# Altium PCB WX0.000.863拼板.PcbDoc (part 8 of 15) (continued)
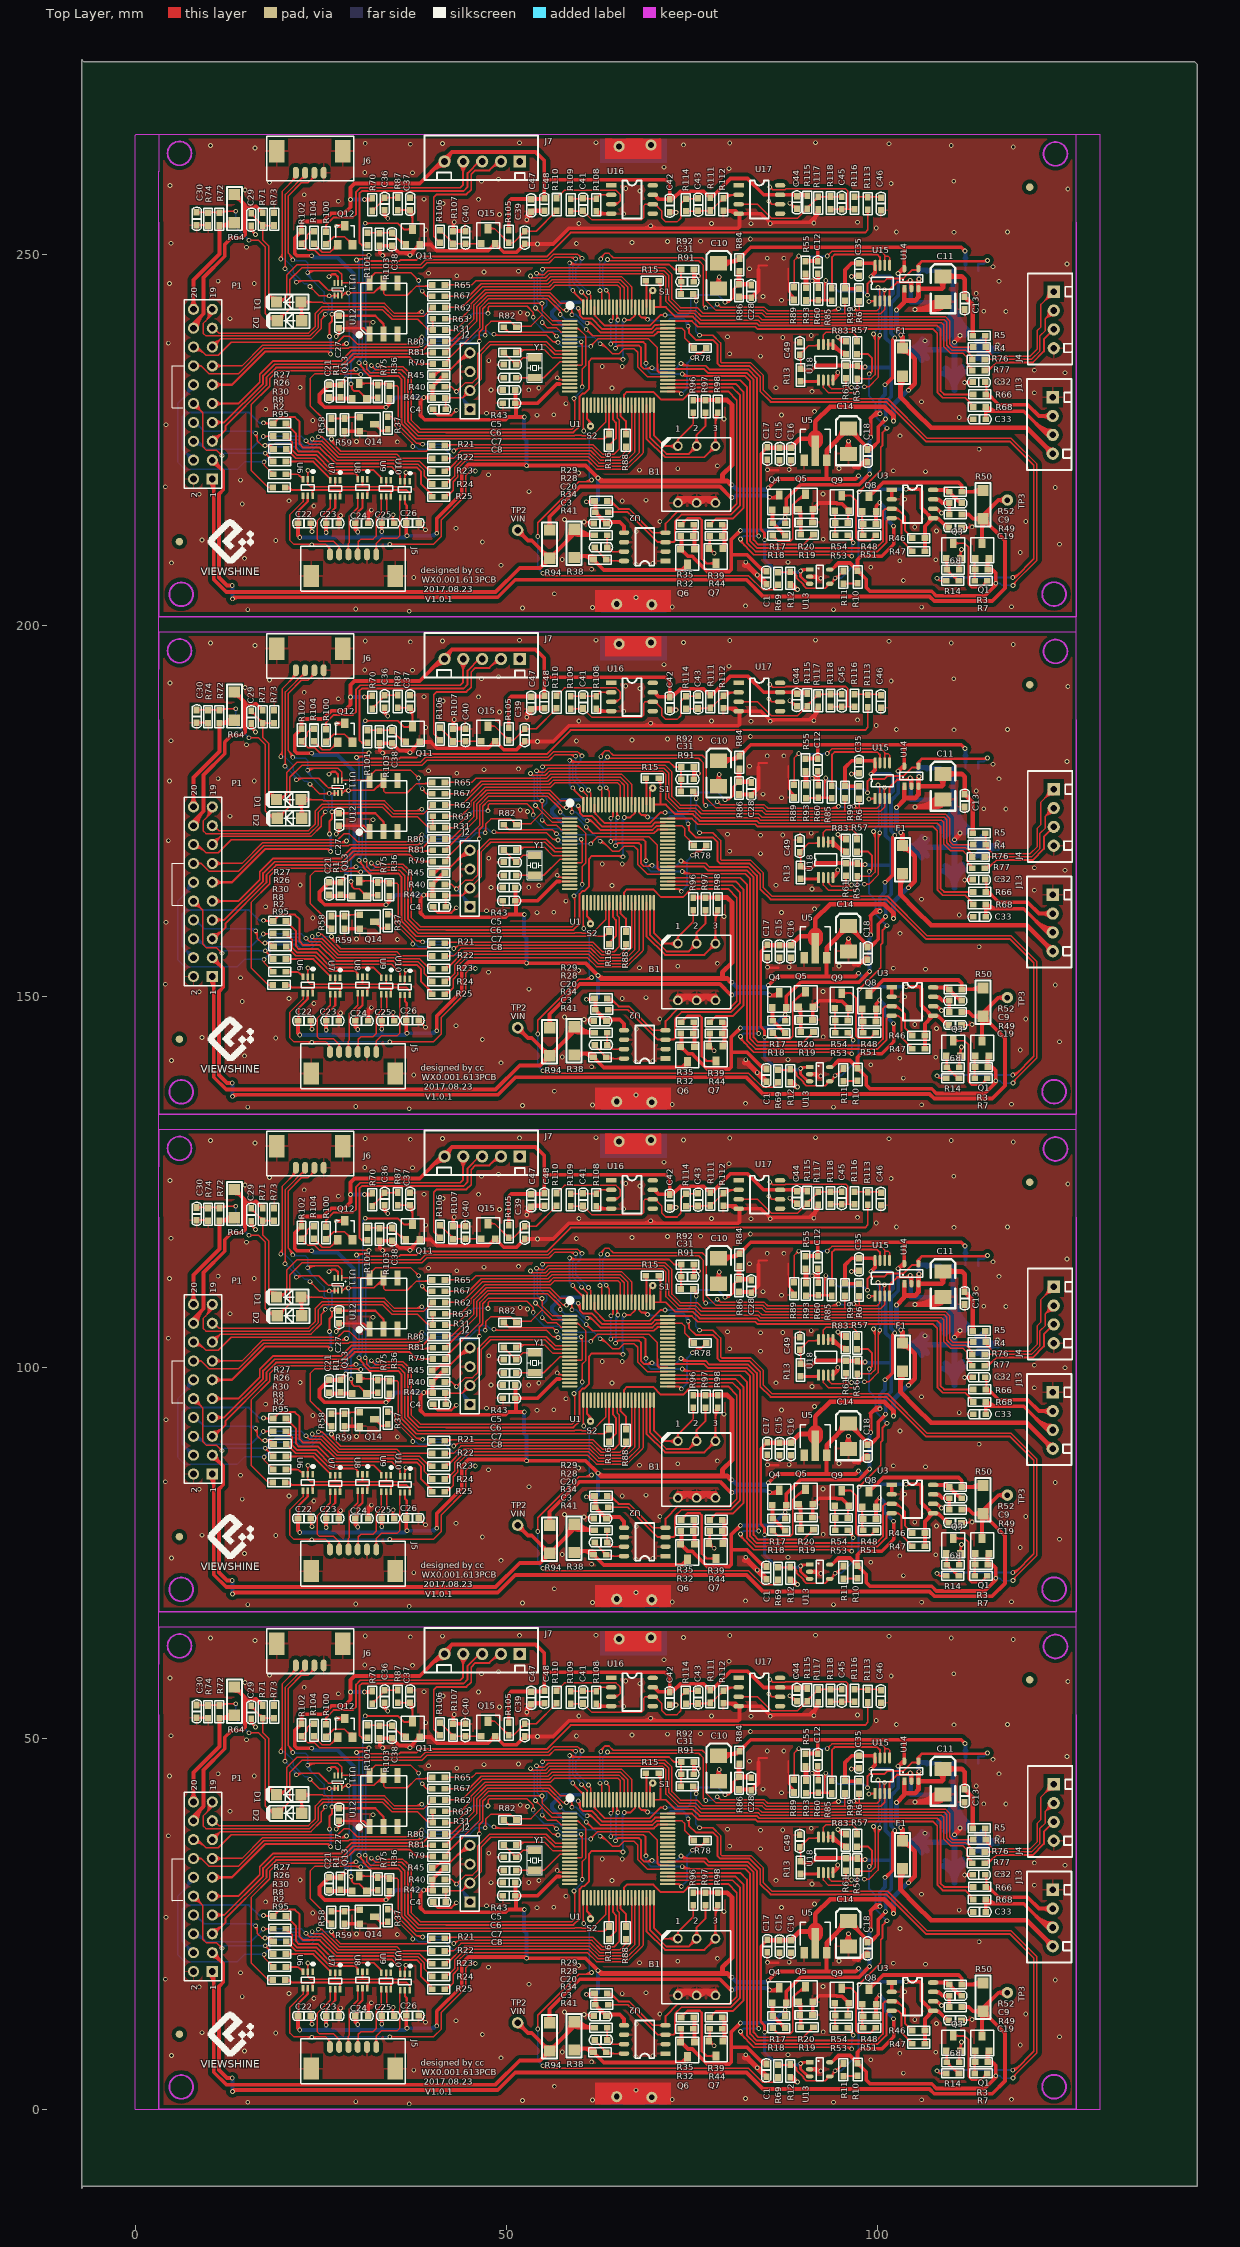
[diagram p0: Top Layer view]
## Nets (pads, with @x,y where several pads share a name; then routed paths per layer and width w, separated by ;. In a path a pad name is that pad's centre, name@x,y a point inside that pad or via, vN(x,y) a via of type N, cw(c..) or ccw(c..) an arc to the next point about the centre after c; other vN are vias at no path point) (continued)
 ccw(c32.02,95.927) 32.02,96.571 ccw(c32.02,97.215) 32.475,96.759 ; 32.475,163.438 ccw(c32.02,162.983) 32.02,163.627 ccw(c32.02,164.271) 32.475,163.815 ; 32.475,230.494 ccw(c32.02,230.039) 32.02,230.683 ccw(c32.02,231.327) 32.475,230.871 ; 32.512,25.932 ccw(c33.101,25.923) 32.684,25.507 ; 32.512,92.988 ccw(c33.101,92.979) 32.684,92.563 ; 32.512,160.044 ccw(c33.101,160.035) 32.684,159.619 ; 32.512,227.1 ccw(c33.101,227.091) 32.684,226.675 ; 32.766,25.928 ccw(c33.937,25.91) 33.109,25.082 ; 32.766,92.984 ccw(c33.937,92.966) 33.109,92.138 ; 32.766,160.04 ccw(c33.937,160.022) 33.109,159.194 ; 32.766,227.096 ccw(c33.937,227.078) 33.109,226.25 ; 32.97,18.897 cw(c32.696,18.622) 33.084,18.622 ; 32.97,85.953 cw(c32.696,85.678) 33.084,85.678 ; 32.97,153.009 cw(c32.696,152.734) 33.084,152.734 ; 32.97,220.065 cw(c32.696,219.79) 33.084,219.79 ; 33.637,24.993 ccw(c33.637,25.412) 34,25.203 ; 33.637,92.049 ccw(c33.637,92.468) 34,92.259 ; 33.637,159.105 ccw(c33.637,159.524) 34,159.315 ; 33.637,226.161 ccw(c33.637,226.58) 34,226.371 ; 33.779,25.33 cw(c33.198,25.664) 33.198,24.993 ; 33.779,92.386 cw(c33.198,92.72) 33.198,92.049 ; 33.779,159.442 cw(c33.198,159.776) 33.198,159.105 ; 33.779,226.498 cw(c33.198,226.832) 33.198,226.161 ; 34.239,24.993 33.198,24.993 ; 34.239,92.049 33.198,92.049 ; 34.239,159.105 33.198,159.105 ; 34.239,226.161 33.198,226.161 ; 34.432,16.172 34.432,17.009 34.392,17.049 ; 34.432,83.228 34.432,84.065 34.392,84.105 ; 34.432,150.284 34.432,151.121 34.392,151.161 ; 34.432,217.34 34.432,218.177 34.392,218.217 ; 34.646,12.624 v1@34.646,13.513 ; 34.646,13.012 cw(c35.451,13.012) v1@34.882,13.581 ; 34.646,13.019 ccw(c35.181,13.019) 34.869,12.583 ; 34.646,79.68 v1@34.646,80.569 ; 34.646,80.068 cw(c35.451,80.068) v1@34.882,80.637 ; 34.646,80.075 ccw(c35.181,80.075) 34.869,79.639 ; 34.646,146.736 v1@34.646,147.625 ; 34.646,147.124 cw(c35.451,147.124) v1@34.882,147.693 ; 34.646,147.131 ccw(c35.181,147.131) 34.869,146.695 ; 34.646,213.792 v1@34.646,214.681 ; 34.646,214.18 cw(c35.451,214.18) v1@34.882,214.749 ; 34.646,214.187 ccw(c35.181,214.187) 34.869,213.751 ; v1(34.747,13.716) 34.747,13.614 v1@34.646,13.513 ; v1(34.747,80.772) 34.747,80.67 v1@34.646,80.569 ; v1(34.747,147.828) 34.747,147.726 v1@34.646,147.625 ; v1(34.747,214.884) 34.747,214.782 v1@34.646,214.681 ; 35.017,12.79 cw(c35.536,13.513) v1@34.646,13.513 ; 35.017,79.846 cw(c35.536,80.569) v1@34.646,80.569 ; 35.017,146.902 cw(c35.536,147.625) v1@34.646,147.625 ; 35.017,213.958 cw(c35.536,214.681) v1@34.646,214.681 ; 35.545,54.599 cw(c35.971,54.174) 35.971,54.775 ; 35.545,54.976 ccw(c36.031,55.462) 36.031,54.775 ; 35.545,121.655 cw(c35.971,121.23) 35.971,121.831 ; 35.545,122.032 ccw(c36.031,122.518) 36.031,121.831 ; 35.545,188.711 cw(c35.971,188.286) 35.971,188.887 ; 35.545,189.088 ccw(c36.031,189.574) 36.031,188.887 ; 35.545,255.767 cw(c35.971,255.342) 35.971,255.943 ; 35.545,256.144 ccw(c36.031,256.63) 36.031,255.943 ; 36.733,32.427 36.733,26.326 38.213,24.846 41.839,24.846 41.859,24.826 55.423,24.826 ; 36.733,99.483 36.733,93.382 38.213,91.902 41.839,91.902 41.859,91.882 55.423,91.882 ; 36.733,166.539 36.733,160.438 38.213,158.958 41.839,158.958 41.859,158.938 55.423,158.938 ; 36.733,233.595 36.733,227.494 38.213,226.014 41.839,226.014 41.859,225.994 55.423,225.994 ; 36.819,54.536 cw(c35.505,53.222) 37.363,53.222 ; 36.819,54.587 ccw(c36.364,54.131) 36.364,54.775 ccw(c36.364,55.419) 36.819,54.964 ; 36.819,121.592 cw(c35.505,120.278) 37.363,120.278 ; 36.819,121.643 ccw(c36.364,121.187) 36.364,121.831 ccw(c36.364,122.475) 36.819,122.02 ; 36.819,188.648 cw(c35.505,187.334) 37.363,187.334 ; 36.819,188.699 ccw(c36.364,188.243) 36.364,188.887 ccw(c36.364,189.531) 36.819,189.076 ; 36.819,255.704 cw(c35.505,254.39) 37.363,254.39 ; 36.819,255.755 ccw(c36.364,255.299) 36.364,255.943 ccw(c36.364,256.587) 36.819,256.132 ; 36.972,16.045 36.972,16.622 36.545,17.049 34.392,17.049 ; 36.972,83.101 36.972,83.678 36.545,84.105 34.392,84.105 ; 36.972,150.157 36.972,150.734 36.545,151.161 34.392,151.161 ; 36.972,217.213 36.972,217.79 36.545,218.217 34.392,218.217 ; 36.999,54.716 cw(c36.119,53.835) 37.363,53.835 ; 36.999,121.772 cw(c36.119,120.891) 37.363,120.891 ; 36.999,188.828 cw(c36.119,187.947) 37.363,187.947 ; 36.999,255.884 cw(c36.119,255.003) 37.363,255.003 ; 37.13,51.964 ccw(c36.566,51.4) 36.566,52.197 ccw(c36.566,52.994) 37.13,52.43 ; 37.13,52.608 ccw(c36.566,53.172) 37.363,53.172 ccw(c38.161,53.172) 37.597,52.608 ; 37.13,119.02 ccw(c36.566,118.456) 36.566,119.253 ccw(c36.566,120.05) 37.13,119.486 ; 37.13,119.664 ccw(c36.566,120.228) 37.363,120.228 ccw(c38.161,120.228) 37.597,119.664 ; 37.13,186.076 ccw(c36.566,185.512) 36.566,186.309 ccw(c36.566,187.106) 37.13,186.542 ; 37.13,186.72 ccw(c36.566,187.284) 37.363,187.284 ccw(c38.161,187.284) 37.597,186.72 ; 37.13,253.132 ccw(c36.566,252.568) 36.566,253.365 ccw(c36.566,254.162) 37.13,253.598 ; 37.13,253.776 ccw(c36.566,254.34) 37.363,254.34 ccw(c38.161,254.34) 37.597,253.776 ; 37.178,54.895 cw(c36.732,54.449) 37.363,54.449 ; 37.178,121.951 cw(c36.732,121.505) 37.363,121.505 ; 37.178,189.007 cw(c36.732,188.561) 37.363,188.561 ; 37.178,256.063 cw(c36.732,255.617) 37.363,255.617 ; 39.009,35.428 ccw(c39.009,36.562) 39.811,35.76 ; 39.009,102.484 ccw(c39.009,103.618) 39.811,102.816 ; 39.009,169.54 ccw(c39.009,170.674) 39.811,169.872 ; 39.009,236.596 ccw(c39.009,237.73) 39.811,236.928 ; 39.29,17.113 cw(c38.331,16.154) 39.688,16.154 ; 39.29,84.169 cw(c38.331,83.21) 39.688,83.21 ; 39.29,151.225 cw(c38.331,150.266) 39.688,150.266 ; 39.29,218.281 cw(c38.331,217.322) 39.688,217.322 ; 39.334,34.036 ccw(c39.334,34.71) 39.811,34.234 ; 39.334,101.092 ccw(c39.334,101.766) 39.811,101.29 ; 39.334,168.148 ccw(c39.334,168.822) 39.811,168.346 ; 39.334,235.204 ccw(c39.334,235.878) 39.811,235.402 ; 39.377,34.036 cw(c39.377,33.423) 39.811,33.857 ; 39.377,101.092 cw(c39.377,100.479) 39.811,100.913 ; 39.377,168.148 cw(c39.377,167.535) 39.811,167.969 ; 39.377,235.204 cw(c39.377,234.591) 39.811,235.025 ; 39.438,36.598 cw(c39.999,36.037) 39.999,36.831 ; 39.438,103.654 cw(c39.999,103.093) 39.999,103.887 ; 39.438,170.71 cw(c39.999,170.149) 39.999,170.943 ; 39.438,237.766 cw(c39.999,237.205) 39.999,237.999 ; 39.588,36.749 ccw(c39.239,37.098) 39.733,37.098 ; 39.588,103.805 ccw(c39.239,104.154) 39.733,104.154 ; 39.588,170.861 ccw(c39.239,171.21) 39.733,171.21 ; 39.588,237.917 ccw(c39.239,238.266) 39.733,238.266 ; 39.622,35.428 ccw(c39.622,35.949) 39.99,35.581 ; 39.622,102.484 ccw(c39.622,103.005) 39.99,102.637 ; 39.622,169.54 ccw(c39.622,170.061) 39.99,169.693 ; 39.622,236.596 ccw(c39.622,237.117) 39.99,236.749 ; 39.724,16.68 cw(c39.198,16.154) 39.941,16.154 ; 39.724,83.736 cw(c39.198,83.21) 39.941,83.21 ; 39.724,150.792 cw(c39.198,150.266) 39.941,150.266 ; 39.724,217.848 cw(c39.198,217.322) 39.941,217.322 ; 40.132,16.281 40.259,16.154 ; 40.132,83.337 40.259,83.21 ; 40.132,150.393 40.259,150.266 ; 40.132,217.449 40.259,217.322 ; 40.504,50.936 ccw(c41.046,51.478) 41.046,50.711 ; 40.504,117.992 ccw(c41.046,118.534) 41.046,117.767 ; 40.504,185.048 ccw(c41.046,185.59) 41.046,184.823 ; 40.504,252.104 ccw(c41.046,252.646) 41.046,251.879 ; 40.627,50.813 cw(c40.258,50.444) 40.78,50.444 ; 40.627,117.869 cw(c40.258,117.5) 40.78,117.5 ; 40.627,184.925 cw(c40.258,184.556) 40.78,184.556 ; 40.627,251.981 cw(c40.258,251.612) 40.78,251.612 ; 41.046,50.394 40.208,51.232 40.208,53.848 40.208,56.52 40.589,56.901 44.607,56.901 45.263,57.556 45.263,59.588 45.822,60.147 47.701,60.147 48.895,61.341 ; 41.046,117.45 40.208,118.288 40.208,120.904 40.208,123.576 40.589,123.957 44.607,123.957 45.263,124.612 45.263,126.644 45.822,127.203 47.701,127.203 48.895,128.397 ; 41.046,184.506 40.208,185.344 40.208,187.96 40.208,190.632 40.589,191.013 44.607,191.013 45.263,191.668 45.263,193.7 45.822,194.259 47.701,194.259 48.895,195.453 ; 41.046,251.562 40.208,252.4 40.208,255.016 40.208,257.688 40.589,258.069 44.607,258.069 45.263,258.724 45.263,260.756 45.822,261.315 47.701,261.315 48.895,262.509 ; 43.702,60.847 cw(c42.632,59.777) 44.145,59.777 ; 43.702,127.903 cw(c42.632,126.833) 44.145,126.833 ; 43.702,194.959 cw(c42.632,193.889) 44.145,193.889 ; 43.702,262.015 cw(c42.632,260.945) 44.145,260.945 ; 43.882,61.027 cw(c43.246,60.391) 44.145,60.391 ; 43.882,128.083 cw(c43.246,127.447) 44.145,127.447 ; 43.882,195.139 cw(c43.246,194.503) 44.145,194.503 ; 43.882,262.195 cw(c43.246,261.559) 44.145,261.559 ; 44.145,59.532 cw(c46.005,59.532) 44.69,60.847 ; 44.145,60.145 cw(c45.392,60.145) 44.51,61.027 ; 44.145,126.588 cw(c46.005,126.588) 44.69,127.903 ; 44.145,127.201 cw(c45.392,127.201) 44.51,128.083 ; 44.145,193.644 cw(c46.005,193.644) 44.69,194.959 ; 44.145,194.257 cw(c45.392,194.257) 44.51,195.139 ; 44.145,260.7 cw(c46.005,260.7) 44.69,262.015 ; 44.145,261.313 cw(c45.392,261.313) 44.51,262.195 ; 47.924,60.37 cw(c49.198,59.096) 49.261,60.897 ; 47.924,127.426 cw(c49.198,126.152) 49.261,127.953 ; 47.924,194.482 cw(c49.198,193.208) 49.261,195.009 ; 47.924,261.538 cw(c49.198,260.264) 49.261,262.065 ; 48.337,60.783 cw(c49.226,59.895) 49.269,61.151 ; 48.337,127.839 cw(c49.226,126.951) 49.269,128.207 ; 48.337,194.895 cw(c49.226,194.007) 49.269,195.263 ; 48.337,261.951 cw(c49.226,261.063) 49.269,262.319 ; 48.353,60.799 ccw(c47.811,61.341) 48.578,61.341 ; 48.353,127.855 ccw(c47.811,128.397) 48.578,128.397 ; 48.353,194.911 ccw(c47.811,195.453) 48.578,195.453 ; 48.353,261.967 ccw(c47.811,262.509) 48.578,262.509 ; 54.788,24.826 55.423,24.826 ; 54.788,91.882 55.423,91.882 ; 54.788,158.938 55.423,158.938 ; 54.788,225.994 55.423,225.994 ; 57.191,31.353 58.525,31.353 ; 57.191,98.409 58.525,98.409 ; 57.191,165.465 58.525,165.465 ; 57.191,232.521 58.525,232.521 ; v1@58.477,47.631 ccw(c58.883,48.038) 58.883,47.462 ; v1@58.477,114.687 ccw(c58.883,115.094) 58.883,114.518 ; v1@58.477,181.743 ccw(c58.883,182.15) 58.883,181.574 ; v1@58.477,248.799 ccw(c58.883,249.206) 58.883,248.63 ; v1@58.496,47.65 v1(58.522,47.676) 58.735,47.462 71.918,47.462 72.593,46.787 73.584,46.787 73.545,46.748 73.545,45.136 ; v1@58.496,114.706 v1(58.522,114.732) 58.735,114.518 71.918,114.518 72.593,113.843 73.584,113.843 73.545,113.804 73.545,112.192 ; v1@58.496,181.762 v1(58.522,181.788) 58.735,181.574 71.918,181.574 72.593,180.899 73.584,180.899 73.545,180.86 73.545,179.248 ; v1@58.496,248.818 v1(58.522,248.844) 58.735,248.63 71.918,248.63 72.593,247.955 73.584,247.955 73.545,247.916 73.545,246.304 ; v1@58.656,47.811 ccw(c59.497,48.651) 59.497,47.462 ; v1@58.656,114.867 ccw(c59.497,115.707) 59.497,114.518 ; v1@58.656,181.923 ccw(c59.497,182.763) 59.497,181.574 ; v1@58.656,248.979 ccw(c59.497,249.819) 59.497,248.63 ; v1@58.953,43.866 60.375,42.444 60.375,41.703 ; v1@58.953,110.922 60.375,109.5 60.375,108.759 ; v1@58.953,177.978 60.375,176.556 60.375,175.815 ; v1@58.953,245.034 60.375,243.612 60.375,242.871 ; v1@59.144,43.967 ccw(c59.849,43.967) 59.35,43.469 ; v1@59.144,111.023 ccw(c59.849,111.023) 59.35,110.525 ; v1@59.144,178.079 ccw(c59.849,178.079) 59.35,177.581 ; v1@59.144,245.135 ccw(c59.849,245.135) 59.35,244.637 ; v1@59.555,41.42 cw(c58.723,40.587) 59.9,40.587 ; v1@59.555,108.476 cw(c58.723,107.643) 59.9,107.643 ; v1@59.555,175.532 cw(c58.723,174.699) 59.9,174.699 ; v1@59.555,242.588 cw(c58.723,241.755) 59.9,241.755 ; v1(59.69,41.554) 59.9,41.344 59.9,40.606 60.311,40.195 61.482,40.195 62.921,38.755 69.506,38.755 70.056,39.305 70.462,39.305 70.485,39.328 71.374,39.328 ; v1(59.69,108.61) 59.9,108.4 59.9,107.662 60.311,107.251 61.482,107.251 62.921,105.811 69.506,105.811 70.056,106.361 70.462,106.361 70.485,106.384 71.374,106.384 ; v1(59.69,175.666) 59.9,175.456 59.9,174.718 60.311,174.307 61.482,174.307 62.921,172.867 69.506,172.867 70.056,173.417 70.462,173.417 70.485,173.44 71.374,173.44 ; v1(59.69,242.722) 59.9,242.512 59.9,241.774 60.311,241.363 61.482,241.363 62.921,239.923 69.506,239.923 70.056,240.473 70.462,240.473 70.485,240.496 71.374,240.496 ; v1@59.735,41.599 cw(c59.336,41.201) 59.9,41.201 ; v1@59.735,108.655 cw(c59.336,108.257) 59.9,108.257 ; v1@59.735,175.711 cw(c59.336,175.313) 59.9,175.313 ; v1@59.735,242.767 cw(c59.336,242.369) 59.9,242.369 ; 60.065,42.754 ccw(c60.375,43.065) 60.375,42.626 ; 60.065,109.81 ccw(c60.375,110.121) 60.375,109.682 ; 60.065,176.866 ccw(c60.375,177.177) 60.375,176.738 ; 60.065,243.922 ccw(c60.375,244.233) 60.375,243.794 ; v1@60.757,38.519 cw(c60.757,38.059) 61.082,38.384 cw(c61.407,38.71) v1@60.947,38.71 ; v1(60.757,38.71) 61.615,37.851 68.428,37.851 ; v1@60.757,105.575 cw(c60.757,105.115) 61.082,105.44 cw(c61.407,105.766) v1@60.947,105.766 ; v1(60.757,105.766) 61.615,104.907 68.428,104.907 ; v1@60.757,172.631 cw(c60.757,172.171) 61.082,172.496 cw(c61.407,172.822) v1@60.947,172.822 ; v1(60.757,172.822) 61.615,171.963 68.428,171.963 ; v1@60.757,239.687 cw(c60.757,239.227) 61.082,239.552 cw(c61.407,239.878) v1@60.947,239.878 ; v1(60.757,239.878) 61.615,239.019 68.428,239.019 ; v1@60.842,39.596 cw(c61.105,39.292) 61.389,39.576 ; v1@60.842,106.652 cw(c61.105,106.348) 61.389,106.632 ; v1@60.842,173.708 cw(c61.105,173.404) 61.389,173.688 ; v1@60.842,240.764 cw(c61.105,240.46) 61.389,240.744 ; 60.875,28.503 60.875,26.653 61.341,26.187 ; 60.875,95.559 60.875,93.709 61.341,93.243 ; 60.875,162.615 60.875,160.765 61.341,160.299 ; 60.875,229.671 60.875,227.821 61.341,227.355 ; v1(60.884,39.548) 60.884,39.624 60.858,39.649 61.316,39.649 ; v1(60.884,106.604) 60.884,106.68 60.858,106.705 61.316,106.705 ; v1(60.884,173.66) 60.884,173.736 60.858,173.761 61.316,173.761 ; v1(60.884,240.716) 60.884,240.792 60.858,240.817 61.316,240.817 ; 60.947,26.582 cw(c60.233,25.868) v1@61.224,25.677 ; 60.947,93.638 cw(c60.233,92.924) v1@61.224,92.733 ; 60.947,160.694 cw(c60.233,159.98) v1@61.224,159.789 ; 60.947,227.75 cw(c60.233,227.036) v1@61.224,226.845 ; v1@61.008,39.404 cw(c61.284,39.084) 61.582,39.383 ; v1@61.008,106.46 cw(c61.284,106.14) 61.582,106.439 ; v1@61.008,173.516 cw(c61.284,173.196) 61.582,173.495 ; v1@61.008,240.572 cw(c61.284,240.252) 61.582,240.551 ; v1@61.061,39.477 cw(c61.316,39.375) 61.316,39.649 ; v1@61.061,106.533 cw(c61.316,106.431) 61.316,106.705 ; v1@61.061,173.589 cw(c61.316,173.487) 61.316,173.761 ; v1@61.061,240.645 cw(c61.316,240.543) 61.316,240.817 ; v1@61.206,25.789 ccw(c60.881,26.114) 61.341,26.114 ccw(c61.801,26.114) v1@61.476,25.789 ; v1@61.206,92.845 ccw(c60.881,93.17) 61.341,93.17 ccw(c61.801,93.17) v1@61.476,92.845 ; v1@61.206,159.901 ccw(c60.881,160.226) 61.341,160.226 ccw(c61.801,160.226) v1@61.476,159.901 ; v1@61.206,226.957 ccw(c60.881,227.282) 61.341,227.282 ccw(c61.801,227.282) v1@61.476,226.957 ; 61.213,26.004 ccw(c61.146,26.187) 61.341,26.187 ; 61.213,93.06 ccw(c61.146,93.243) 61.341,93.243 ; 61.213,160.116 ccw(c61.146,160.299) 61.341,160.299 ; 61.213,227.172 ccw(c61.146,227.355) 61.341,227.355 ; 61.285,26.243 cw(c60.8,25.758) v1@61.474,25.628 ; 61.285,93.299 cw(c60.8,92.814) v1@61.474,92.684 ; 61.285,160.355 cw(c60.8,159.87) v1@61.474,159.74 ; 61.285,227.411 cw(c60.8,226.926) v1@61.474,226.796 ; v1(61.341,25.654) 61.341,26.187 ; v1(61.341,92.71) 61.341,93.243 ; v1(61.341,159.766) 61.341,160.299 ; v1(61.341,226.822) 61.341,227.355 ; 61.469,26.004 cw(c61.536,26.187) 61.341,26.187 ; 61.469,93.06 cw(c61.536,93.243) 61.341,93.243 ; 61.469,160.116 cw(c61.536,160.299) 61.341,160.299 ; 61.469,227.172 cw(c61.536,227.355) 61.341,227.355 ; 61.875,41.703 61.875,40.613 63.279,39.21 64.008,39.21 69.321,39.21 69.868,39.757 69.881,39.757 70.764,40.64 v1(71.399,40.64) ; 61.875,108.759 61.875,107.669 63.279,106.266 64.008,106.266 69.321,106.266 69.868,106.813 69.881,106.813 70.764,107.696 v1(71.399,107.696) ; 61.875,175.815 61.875,174.725 63.279,173.322 64.008,173.322 69.321,173.322 69.868,173.869 69.881,173.869 70.764,174.752 v1(71.399,174.752) ; 61.875,242.871 61.875,241.781 63.279,240.378 64.008,240.378 69.321,240.378 69.868,240.925 69.881,240.925 70.764,241.808 v1(71.399,241.808) ; 61.898,40.803 ccw(c62.411,40.803) 62.048,40.44 ; 61.898,107.859 ccw(c62.411,107.859) 62.048,107.496 ; 61.898,174.915 ccw(c62.411,174.915) 62.048,174.552 ; 61.898,241.971 ccw(c62.411,241.971) 62.048,241.608 ; 63.288,24.071 cw(c63.83,23.529) 63.83,24.295 ; 63.288,91.127 cw(c63.83,90.585) 63.83,91.351 ; 63.288,158.183 cw(c63.83,157.641) 63.83,158.407 ; 63.288,225.239 cw(c63.83,224.697) 63.83,225.463 ; 63.411,24.193 ccw(c63.042,24.562) 63.563,24.562 ; 63.411,91.249 ccw(c63.042,91.618) 63.563,91.618 ; 63.411,158.305 ccw(c63.042,158.674) 63.563,158.674 ; 63.411,225.361 ccw(c63.042,225.73) 63.563,225.73 ; 63.576,15.596 64.059,15.596 ; 63.576,82.652 64.059,82.652 ; 63.576,149.708 64.059,149.708 ; 63.576,216.764 64.059,216.764 ; 63.627,15.329 cw(c63.627,13.643) 64.819,14.835 ; 63.627,15.583 cw(c63.627,14.51) 64.386,15.269 ; 63.627,82.385 cw(c63.627,80.699) 64.819,81.891 ; 63.627,82.639 cw(c63.627,81.566) 64.386,82.325 ; 63.627,149.441 cw(c63.627,147.755) 64.819,148.947 ; 63.627,149.695 cw(c63.627,148.622) 64.386,149.381 ; 63.627,216.497 cw(c63.627,214.811) 64.819,216.003 ; 63.627,216.751 cw(c63.627,215.678) 64.386,216.437 ; 63.635,15.586 cw(c63.851,15.34) 64.083,15.571 ; 63.635,82.642 cw(c63.851,82.396) 64.083,82.627 ; 63.635,149.698 cw(c63.851,149.452) 64.083,149.683 ; 63.635,216.754 cw(c63.851,216.508) 64.083,216.739 ; 63.642,24.852 ccw(c63.138,25.356) 63.85,25.356 ; 63.642,91.908 ccw(c63.138,92.412) 63.85,92.412 ; 63.642,158.964 ccw(c63.138,159.468) 63.85,159.468 ; 63.642,226.02 ccw(c63.138,226.524) 63.85,226.524 ; 63.703,14.072 65.507,14.072 66.34,14.072 70.379,10.033 71.45,10.033 72.542,10.033 72.72,10.211 72.72,10.301 72.712,10.309 72.712,12.751 72.763,12.802 72.763,12.898 73.601,13.736 80.248,13.736 81.503,14.991 81.503,29.825 80.475,30.853 75.565,30.853 ; 63.703,81.128 65.507,81.128 66.34,81.128 70.379,77.089 71.45,77.089 72.542,77.089 72.72,77.267 72.72,77.357 72.712,77.365 72.712,79.807 72.763,79.858 72.763,79.954 73.601,80.792 80.248,80.792 81.503,82.047 81.503,96.881 80.475,97.909 75.565,97.909 ; 63.703,148.184 65.507,148.184 66.34,148.184 70.379,144.145 71.45,144.145 72.542,144.145 72.72,144.323 72.72,144.413 72.712,144.421 72.712,146.863 72.763,146.914 72.763,147.01 73.601,147.848 80.248,147.848 81.503,149.103 81.503,163.937 80.475,164.965 75.565,164.965 ; 63.703,215.24 65.507,215.24 66.34,215.24 70.379,211.201 71.45,211.201 72.542,211.201 72.72,211.379 72.72,211.469 72.712,211.477 72.712,213.919 72.763,213.97 72.763,214.066 73.601,214.904 80.248,214.904 81.503,216.159 81.503,230.993 80.475,232.021 75.565,232.021 ; 63.803,15.395 cw(c64.031,15.136) 64.275,15.38 ; 63.803,82.451 cw(c64.031,82.192) 64.275,82.436 ; 63.803,149.507 cw(c64.031,149.248) 64.275,149.492 ; 63.803,216.563 cw(c64.031,216.304) 64.275,216.548 ; 63.83,22.911 63.83,23.063 64.77,24.003 64.77,25.502 ; 63.83,23.228 ccw(c63.83,23.627) 64.112,23.345 ; 63.83,89.967 63.83,90.119 64.77,91.059 64.77,92.558 ; 63.83,90.284 ccw(c63.83,90.683) 64.112,90.401 ; 63.83,157.023 63.83,157.175 64.77,158.115 64.77,159.614 ; 63.83,157.34 ccw(c63.83,157.739) 64.112,157.457 ; 63.83,224.079 63.83,224.231 64.77,225.171 64.77,226.67 ; 63.83,224.396 ccw(c63.83,224.795) 64.112,224.513 ; 63.85,25.259 ccw(c64.425,25.259) 64.019,24.852 ; 63.85,92.315 ccw(c64.425,92.315) 64.019,91.908 ; 63.85,159.371 ccw(c64.425,159.371) 64.019,158.964 ; 63.85,226.427 ccw(c64.425,226.427) 64.019,226.02 ; 63.865,15.476 cw(c64.059,15.379) 64.059,15.596 ; 63.865,15.715 ccw(c64.059,15.812) 64.059,15.596 ; 63.865,82.532 cw(c64.059,82.435) 64.059,82.652 ; 63.865,82.771 ccw(c64.059,82.868) 64.059,82.652 ; 63.865,149.588 cw(c64.059,149.491) 64.059,149.708 ; 63.865,149.827 ccw(c64.059,149.924) 64.059,149.708 ; 63.865,216.644 cw(c64.059,216.547) 64.059,216.764 ; 63.865,216.883 ccw(c64.059,216.98) 64.059,216.764 ; 63.943,13.883 cw(c64.398,13.428) 64.398,14.072 cw(c64.398,14.715) 63.943,14.26 ; 63.943,80.939 cw(c64.398,80.484) 64.398,81.128 cw(c64.398,81.771) 63.943,81.316 ; 63.943,147.995 cw(c64.398,147.54) 64.398,148.184 cw(c64.398,148.827) 63.943,148.372 ; 63.943,215.051 cw(c64.398,214.596) 64.398,215.24 cw(c64.398,215.883) 63.943,215.428 ; v1(64.059,36.728) 64.13,36.728 64.389,36.987 ; v1(64.059,103.784) 64.13,103.784 64.389,104.043 ; v1(64.059,170.84) 64.13,170.84 64.389,171.099 ; v1(64.059,237.896) 64.13,237.896 64.389,238.155 ; v1(64.084,39.878) 64.375,40.169 64.375,41.703 ; v1(64.084,106.934) 64.375,107.225 64.375,108.759 ; v1(64.084,173.99) 64.375,174.281 64.375,175.815 ; v1(64.084,241.046) 64.375,241.337 64.375,242.871 ; 64.097,22.962 cw(c64.986,22.962) 64.357,23.59 ; 64.097,90.018 cw(c64.986,90.018) 64.357,90.646 ; 64.097,157.074 cw(c64.986,157.074) 64.357,157.702 ; 64.097,224.13 cw(c64.986,224.13) 64.357,224.758 ; v1@64.108,36.912 ccw(c64.184,37.193) 64.389,36.987 ; v1@64.108,103.968 ccw(c64.184,104.249) 64.389,104.043 ; v1@64.108,171.024 ccw(c64.184,171.305) 64.389,171.099 ; v1@64.108,238.08 ccw(c64.184,238.361) 64.389,238.155 ; v1@64.249,36.728 cw(c64.538,36.728) 64.334,36.932 ; v1@64.249,103.784 cw(c64.538,103.784) 64.334,103.988 ; v1@64.249,170.84 cw(c64.538,170.84) 64.334,171.044 ; v1@64.249,237.896 cw(c64.538,237.896) 64.334,238.1 ; 64.375,28.503 64.375,26.531 64.77,26.137 64.77,25.502 ; 64.375,95.559 64.375,93.587 64.77,93.193 64.77,92.558 ; 64.375,162.615 64.375,160.643 64.77,160.249 64.77,159.614 ; 64.375,229.671 64.375,227.699 64.77,227.305 64.77,226.67 ; v1@64.719,36.22 65.034,36.535 ; v1@64.719,36.36 ccw(c64.719,36.697) 64.958,36.459 ; v1@64.719,103.276 65.034,103.591 ; v1@64.719,103.416 ccw(c64.719,103.753) 64.958,103.515 ; v1@64.719,170.332 65.034,170.647 ; v1@64.719,170.472 ccw(c64.719,170.809) 64.958,170.571 ; v1@64.719,237.388 65.034,237.703 ; v1@64.719,237.528 ccw(c64.719,237.865) 64.958,237.627 ; 64.77,25.197 64.77,25.502 ; 64.77,92.253 64.77,92.558 ; 64.77,159.309 64.77,159.614 ; 64.77,226.365 64.77,226.67 ; v1@64.875,40.052 64.875,41.703 ; 64.875,40.799 ccw(c65.843,40.799) v1@65.159,40.114 ; v1@64.875,107.108 64.875,108.759 ; 64.875,107.855 ccw(c65.843,107.855) v1@65.159,107.17 ; v1@64.875,174.164 64.875,175.815 ; 64.875,174.911 ccw(c65.843,174.911) v1@65.159,174.226 ; v1@64.875,241.22 64.875,242.871 ; 64.875,241.967 ccw(c65.843,241.967) v1@65.159,241.282 ; v1@64.909,36.187 cw(c65.341,36.228) 65.034,36.535 ; v1@64.909,103.243 cw(c65.341,103.284) 65.034,103.591 ; v1@64.909,170.299 cw(c65.341,170.34) 65.034,170.647 ; v1@64.909,237.355 cw(c65.341,237.396) 65.034,237.703 ; 64.943,34.798 cw(c64.943,33.904) v1@65.575,34.536 ; 64.943,101.854 cw(c64.943,100.96) v1@65.575,101.592 ; 64.943,168.91 cw(c64.943,168.016) v1@65.575,168.648 ; 64.943,235.966 cw(c64.943,235.072) v1@65.575,235.704 ; 65.375,28.503 65.375,27.081 66.116,26.34 66.116,24.613 ; 65.375,95.559 65.375,94.137 66.116,93.396 66.116,91.669 ; 65.375,162.615 65.375,161.193 66.116,160.452 66.116,158.725 ; 65.375,229.671 65.375,228.249 66.116,227.508 66.116,225.781 ; v1@65.521,34.65 ccw(c65.354,34.631) 65.354,34.798 ; v1@65.521,101.706 ccw(c65.354,101.687) 65.354,101.854 ; v1@65.521,168.762 ccw(c65.354,168.743) 65.354,168.91 ; v1@65.521,235.818 ccw(c65.354,235.799) 65.354,235.966 ; v1(65.71,34.671) 65.481,34.671 65.354,34.798 ; v1(65.71,101.727) 65.481,101.727 65.354,101.854 ; v1(65.71,168.783) 65.481,168.783 65.354,168.91 ; v1(65.71,235.839) 65.481,235.839 65.354,235.966 ; 65.875,28.503 65.875,29.909 66.243,30.277 69.82,30.277 70.836,29.261 73.838,29.261 74.93,30.353 79.883,30.353 81.051,29.185 81.051,15.179 80.061,14.188 73.091,14.188 71.45,12.547 71.45,11.303 ; 65.875,95.559 65.875,96.965 66.243,97.333 69.82,97.333 70.836,96.317 73.838,96.317 74.93,97.409 79.883,97.409 81.051,96.241 81.051,82.235 80.061,81.244 73.091,81.244 71.45,79.603 71.45,78.359 ; 65.875,162.615 65.875,164.021 66.243,164.389 69.82,164.389 70.836,163.373 73.838,163.373 74.93,164.465 79.883,164.465 81.051,163.297 81.051,149.291 80.061,148.3 73.091,148.3 71.45,146.659 71.45,145.415 ; 65.875,229.671 65.875,231.077 66.243,231.445 69.82,231.445 70.836,230.429 73.838,230.429 74.93,231.521 79.883,231.521 81.051,230.353 81.051,216.347 80.061,215.356 73.091,215.356 71.45,213.715 71.45,212.471 ; v1(65.888,39.98) 66.726,39.98 67.35,40.604 67.35,41.678 67.375,41.703 ; v1(65.888,107.036) 66.726,107.036 67.35,107.66 67.35,108.734 67.375,108.759 ; v1(65.888,174.092) 66.726,174.092 67.35,174.716 67.35,175.79 67.375,175.815 ; v1(65.888,241.148) 66.726,241.148 67.35,241.772 67.35,242.846 67.375,242.871 ; 65.928,24.852 ccw(c65.472,25.307) 66.116,25.307 ccw(c66.76,25.307) 66.305,24.852 ; 65.928,91.908 ccw(c65.472,92.363) 66.116,92.363 ccw(c66.76,92.363) 66.305,91.908 ; 65.928,158.964 ccw(c65.472,159.419) 66.116,159.419 ccw(c66.76,159.419) 66.305,158.964 ; 65.928,226.02 ccw(c65.472,226.475) 66.116,226.475 ccw(c66.76,226.475) 66.305,226.02 ; v1@66.022,39.845 cw(c66.348,39.52) 66.348,39.98 cw(c66.348,40.44) v1@66.022,40.114 ; v1@66.022,106.901 cw(c66.348,106.576) 66.348,107.036 cw(c66.348,107.496) v1@66.022,107.17 ; v1@66.022,173.957 cw(c66.348,173.632) 66.348,174.092 cw(c66.348,174.552) v1@66.022,174.226 ; v1@66.022,241.013 cw(c66.348,240.688) 66.348,241.148 cw(c66.348,241.608) v1@66.022,241.282 ; 67.213,40.467 ccw(c66.877,40.803) 67.352,40.803 ; 67.213,107.523 ccw(c66.877,107.859) 67.352,107.859 ; 67.213,174.579 ccw(c66.877,174.915) 67.352,174.915 ; 67.213,241.635 ccw(c66.877,241.971) 67.352,241.971 ; 67.875,41.703 67.9,41.678 67.9,40.606 68.178,40.328 ; 67.875,108.759 67.9,108.734 67.9,107.662 68.178,107.384 ; 67.875,175.815 67.9,175.79 67.9,174.718 68.178,174.44 ; 67.875,242.871 67.9,242.846 67.9,241.774 68.178,241.496 ; 67.898,40.803 ccw(c68.369,40.803) 68.036,40.47 ; 67.898,107.859 ccw(c68.369,107.859) 68.036,107.526 ; 67.898,174.915 ccw(c68.369,174.915) 68.036,174.582 ; 67.898,241.971 ccw(c68.369,241.971) 68.036,241.638 ; 68.605,37.851 68.428,37.851 ; 68.605,104.907 68.428,104.907 ; 68.605,171.963 68.428,171.963 ; 68.605,239.019 68.428,239.019 ; 68.65,40.328 cw(c68.65,39.801) v1@69.09,40.091 ; 68.65,107.384 cw(c68.65,106.857) v1@69.09,107.147 ; 68.65,174.44 cw(c68.65,173.913) v1@69.09,174.203 ; 68.65,241.496 cw(c68.65,240.969) v1@69.09,241.259 ; 68.67,45.074 cw(c68.176,44.58) 68.875,44.58 ; 68.67,112.13 cw(c68.176,111.636) 68.875,111.636 ; 68.67,179.186 cw(c68.176,178.692) 68.875,178.692 ; 68.67,246.242 cw(c68.176,245.748) 68.875,245.748 ; v1@68.674,34.272 ccw(c68.471,34.475) 68.758,34.475 ; v1@68.674,101.328 ccw(c68.471,101.531) 68.758,101.531 ; v1@68.674,168.384 ccw(c68.471,168.587) 68.758,168.587 ; v1@68.674,235.44 ccw(c68.471,235.643) 68.758,235.643 ; 68.758,34.72 ccw(c69.391,34.72) v1@68.943,34.272 ; 68.758,101.776 ccw(c69.391,101.776) v1@68.943,101.328 ; 68.758,168.832 ccw(c69.391,168.832) v1@68.943,168.384 ; 68.758,235.888 ccw(c69.391,235.888) v1@68.943,235.44 ; v1(68.809,34.138) 68.758,34.138 68.758,36.708 68.478,36.987 64.389,36.987 ; 68.808,45.263 68.875,45.196 68.875,41.703 ; v1(68.809,101.194) 68.758,101.194 68.758,103.764 68.478,104.043 64.389,104.043 ; 68.808,112.319 68.875,112.252 68.875,108.759 ; v1(68.809,168.25) 68.758,168.25 68.758,170.82 68.478,171.099 64.389,171.099 ; 68.808,179.375 68.875,179.308 68.875,175.815 ; v1(68.809,235.306) 68.758,235.306 68.758,237.876 68.478,238.155 64.389,238.155 ; 68.808,246.431 68.875,246.364 68.875,242.871 ; 68.855,33.401 ccw(c68.855,34.295) v1@69.487,33.663 ; 68.855,100.457 ccw(c68.855,101.351) v1@69.487,100.719 ; 68.855,167.513 ccw(c68.855,168.407) v1@69.487,167.775 ; 68.855,234.569 ccw(c68.855,235.463) v1@69.487,234.831 ; 68.875,28.503 68.875,23.987 71.394,21.468 76.678,21.468 78.181,22.972 78.181,27.178 78.486,27.483 ; 68.875,44.658 cw(c69.464,44.658) 69.048,45.074 ; 68.875,95.559 68.875,91.043 71.394,88.524 76.678,88.524 78.181,90.028 78.181,94.234 78.486,94.539 ; 68.875,111.714 cw(c69.464,111.714) 69.048,112.13 ; 68.875,162.615 68.875,158.099 71.394,155.58 76.678,155.58 78.181,157.084 78.181,161.29 78.486,161.595 ; 68.875,178.77 cw(c69.464,178.77) 69.048,179.186 ; 68.875,229.671 68.875,225.155 71.394,222.636 76.678,222.636 78.181,224.14 78.181,228.346 78.486,228.651 ; 68.875,245.826 cw(c69.464,245.826) 69.048,246.242 ; v1@68.878,39.951 ccw(c68.178,39.49) 68.178,40.328 ; v1@68.878,107.007 ccw(c68.178,106.546) 68.178,107.384